# Altium PCB Copy of main_1301.PcbDoc
Units mm, origin at the board's own origin, x right, y up, seen from the top; angles counter-clockwise.
Board outline 199.97 x 144.74 mm, 2 copper layers (Top Layer, Bottom Layer); 194 components, 185 nets, 678 pads, 55 vias.
Unrouted connection lines stored in the file: 279.
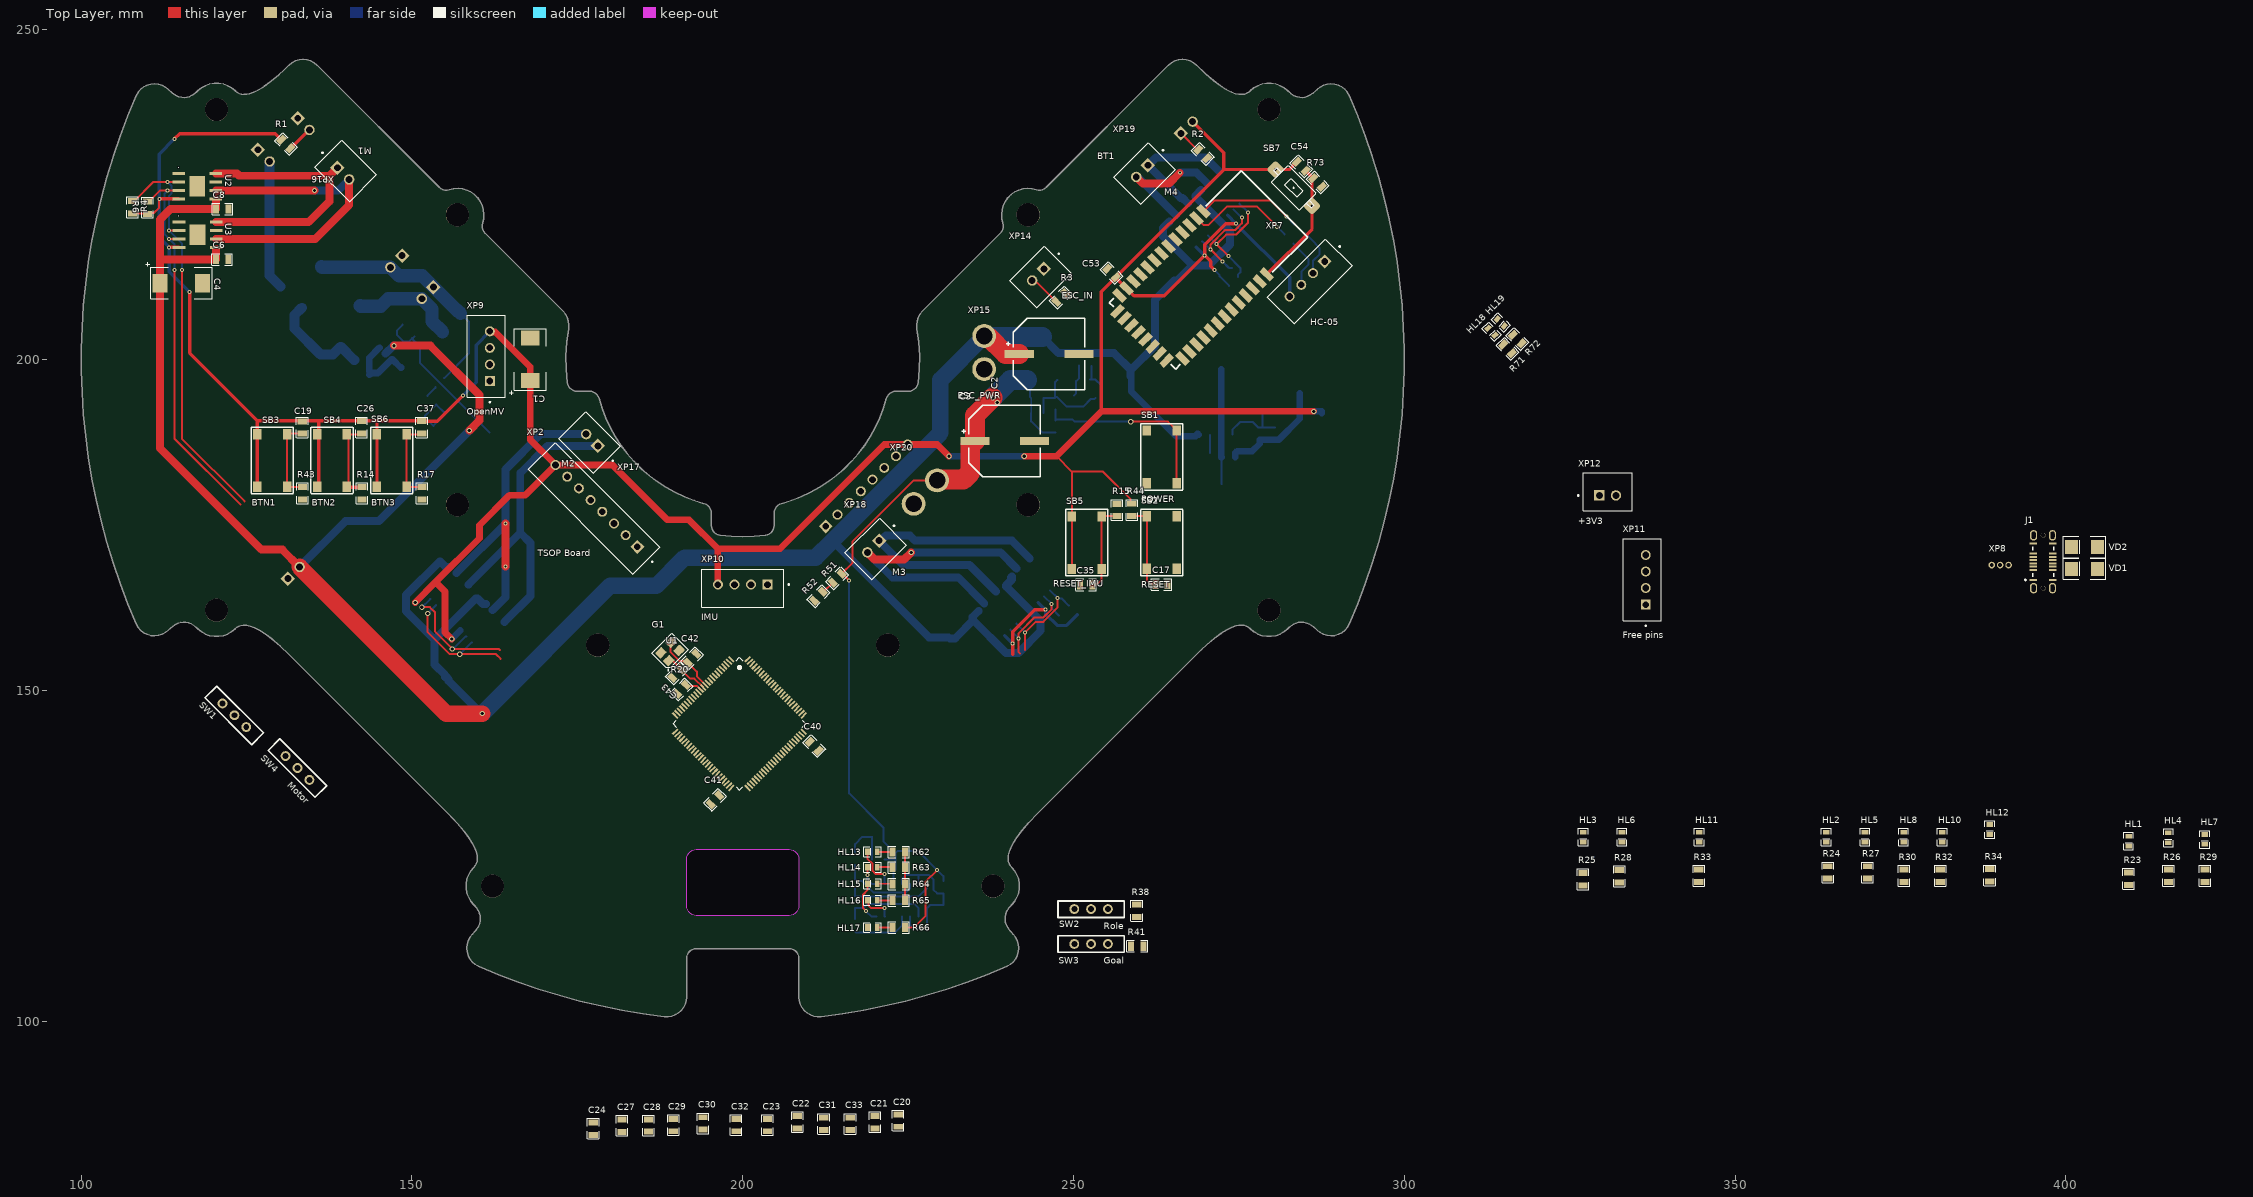
[diagram p0: Top Layer view]
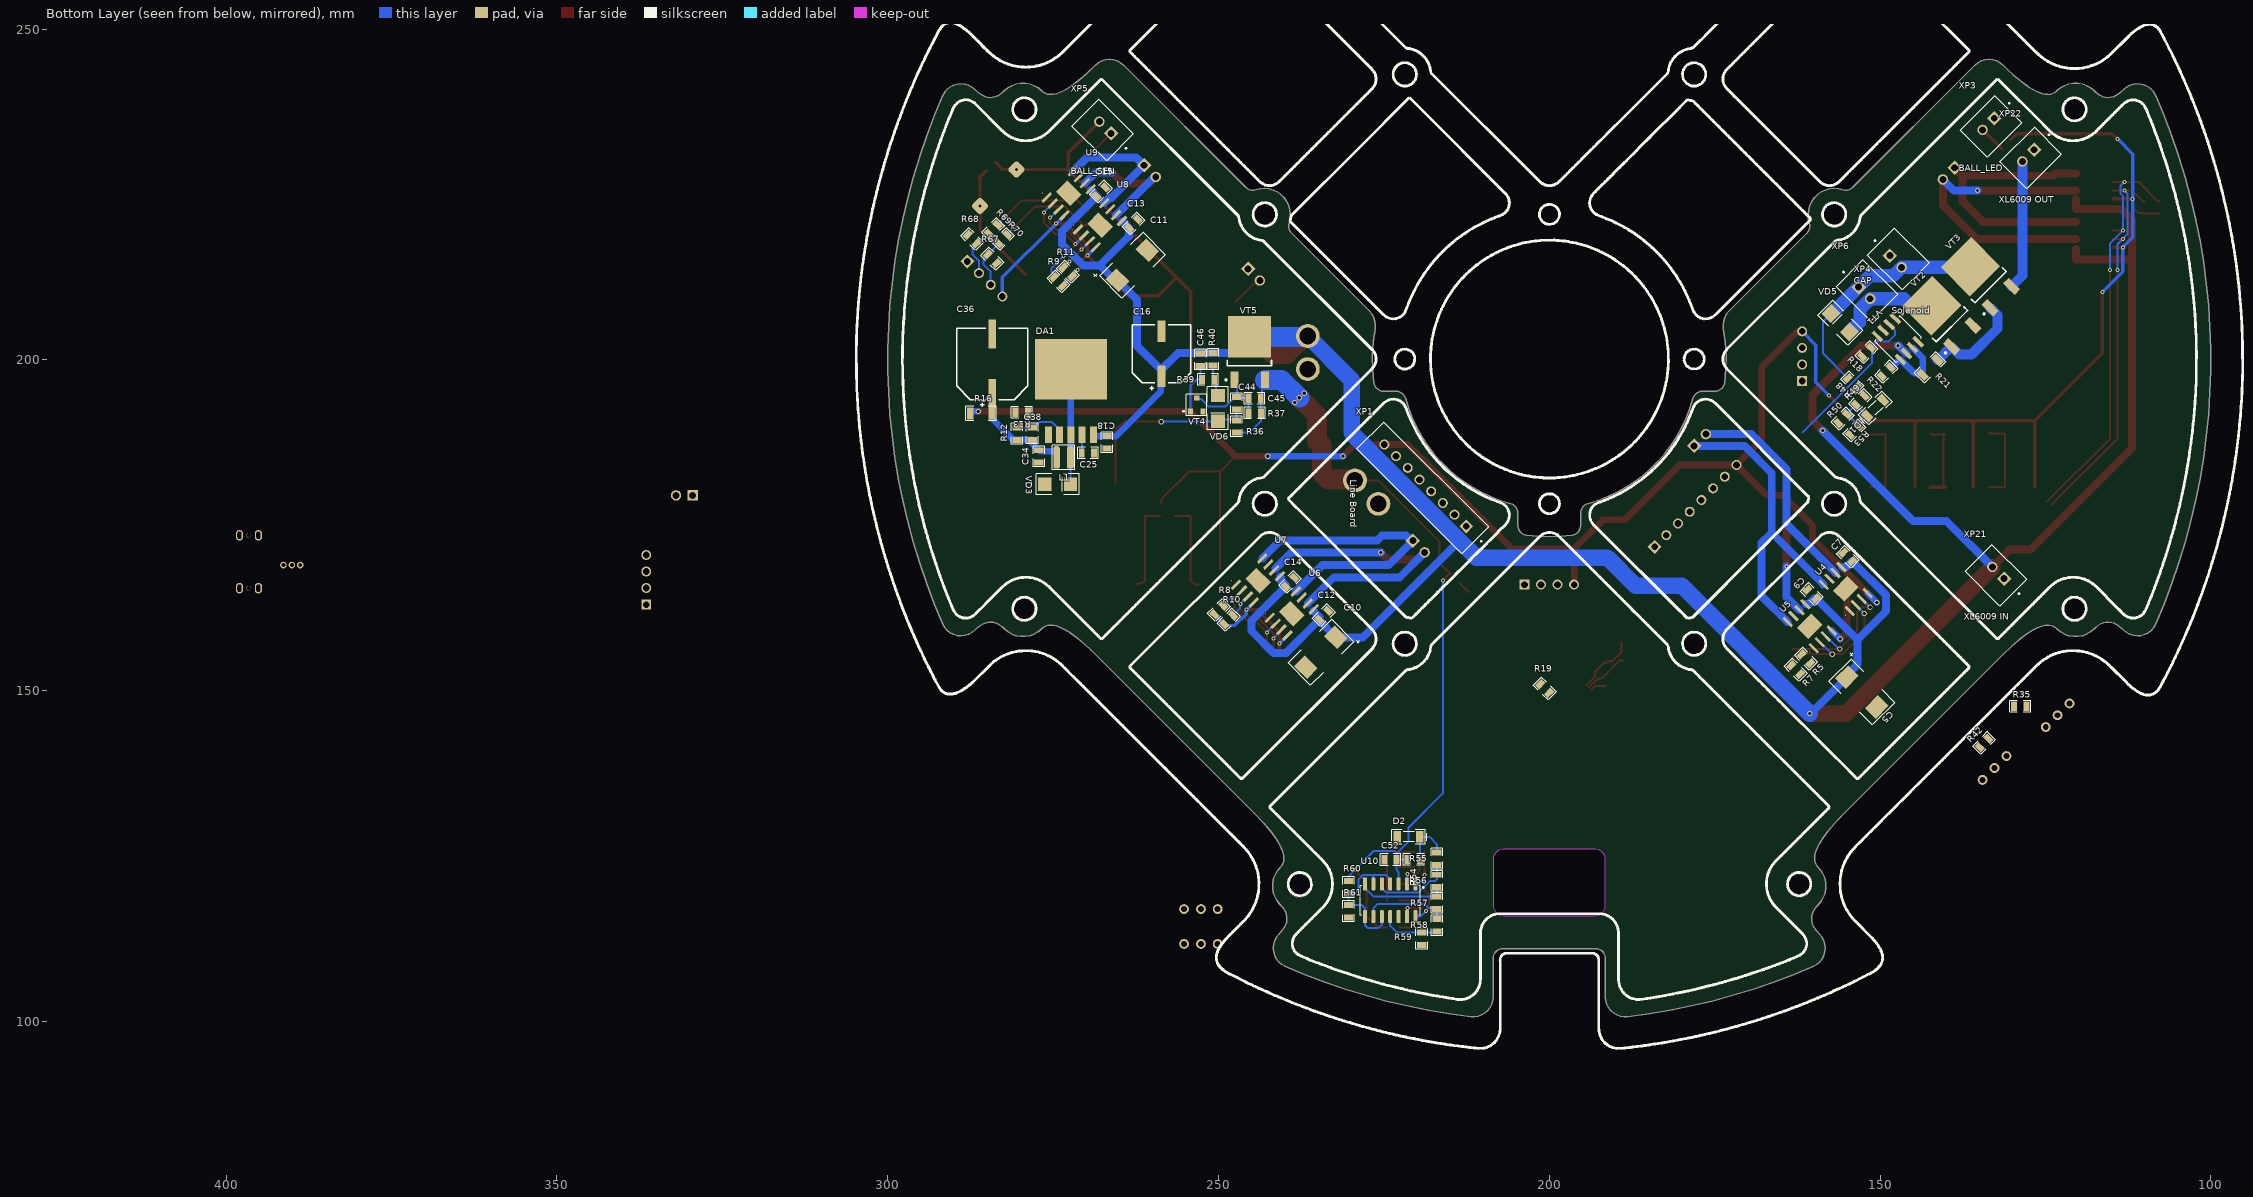
[diagram p1: Bottom Layer view, seen from below]

## Layer stack, top to bottom
Top Solder: solder mask 0.0102, Solder Resist, Dk 3.5
Top Layer: signal copper 0.07
Dielectric 1: dielectric 0.32, FR-4, Dk 4.8
Bottom Layer: signal copper 0.07
Bottom Solder: solder mask 0.0102, Solder Resist, Dk 3.5

## Board outline
538 vertices, not listed, extent 100.013,100.691 299.986,245.426
cut-out: 208.5,117.5 208.462,117.166 208.351,116.849 208.173,116.565 207.935,116.327 207.651,116.149 207.334,116.038 207,116 193,116 192.666,116.038 192.349,116.149 192.065,116.327 191.827,116.565 191.649,116.849 191.538,117.166 191.5,117.5 191.5,124.5 191.538,124.834 191.649,125.151 191.827,125.435 192.065,125.673 192.349,125.851 192.666,125.962 193,126 207,126 207.334,125.962 207.651,125.851 207.935,125.673 208.173,125.435 208.351,125.151 208.462,124.834 208.5,124.5

## Design rules (kind name [scope] priority, off if disabled: settings)
BoardOutlineClearance [All] p1: gap=0.25 ignorepadtopadclearanceinfootprint=FALSE
Clearance Clearance_MultiLayerPad [OnLayer('Multi-Layer') and IsPad] p1: gap=0.25 ignorepadtopadclearanceinfootprint=FALSE except(0: Arc-Hole Track-Hole SMDPad-Hole THPad-Hole Via-Hole Fill-Hole Poly-Hole Region-Hole Text-Hole)
Clearance Clearance_Polygon [InPolygon] p2 off: gap=0.2 ignorepadtopadclearanceinfootprint=FALSE except(0: Arc-Hole Track-Hole SMDPad-Hole THPad-Hole Via-Hole Fill-Hole Poly-Hole Region-Hole Text-Hole)
Clearance [All] p3: gap=0.15 ignorepadtopadclearanceinfootprint=FALSE except(0: Arc-Hole Track-Hole SMDPad-Hole THPad-Hole Via-Hole Fill-Hole Poly-Hole Region-Hole Text-Hole)
ComponentClearance [All] p1 off: gap=0 collisioncheckmode=3 verticalgap=2540 showdistances=TRUE
Height [All] p1 off: minheight=0 maxheight=25.4 prefheight=12.7
HoleSize [All] p1: absolutevalues=TRUE maxlimit=6.3 minlimit=0.2 maxpercent=80.000 minpercent=20.000
HoleToHoleClearance HoleToHoleClearanceVia [IsVia vs IsVia] p1: gap=0.254 allowstackedmicrovias=TRUE
HoleToHoleClearance [All] p2: gap=0.5 allowstackedmicrovias=TRUE
MinimumAnnularRing MinimumAnnularRingVia [IsVia] p1: minimumring=0.15
MinimumAnnularRing [All] p2: minimumring=0.25
MinimumSolderMaskSliver [All] p1: minsoldermaskwidth=0.244
PlaneClearance [All] p1: clearance=0.5
PlaneConnect [All] p1: planeconnectstyle=Relief reliefexpansion=0.5 reliefentries=4 reliefconductorwidth=0.3 reliefairgap=0.2
PolygonConnect PolygonConnect_Power [InPadClass('power')] p1: connectstyle=Relief reliefconductorwidth=0.9 reliefentries=4 polygonreliefangle="90 Angle" airgapwidth=0.2
PolygonConnect [All] p2: thpad.connectstyle=Relief thpad.reliefconductorwidth=0.3 thpad.reliefentries=4 thpad.polygonreliefangle="90 Angle" thpad.airgapwidth=0.2 smdpad.connectstyle=Relief smdpad.reliefconductorwidth=0.3 smdpad.reliefentries=4 smdpad.polygonreliefangle="90 Angle" smdpad.airgapwidth=0.2 via.connectstyle=Direct via.reliefconductorwidth=0.3 via.reliefentries=4 via.polygonreliefangle="90 Angle" via.airgapwidth=0.2
RoutingVias [All] p1: holewidth=0.3 width=0.6 viastyle="Through Hole" minholewidth=0.3 minwidth=0.6 maxholewidth=0.5 maxwidth=1.5
SilkToSilkClearance [All] p1: silktosilkclearance=0.2
SilkToSolderMaskClearance [IsPad] p1: minsilkscreentomaskgap=0.15 clearancetoexposedcopper=TRUE
SolderMaskExpansion [All] p1: expansion=0.05 istentingtop=FALSE
UnRoutedNet [All] p1: checkbadconnections=TRUE
Width [All] p1: maxlimit=10 minlimit=0.15 preferedwidth=0.3
20 further rules are at their usual default settings.

## Classes and differential pairs
component class U_switches: C17 C19 C26 C35 C37 C44 C45 C46 R14 R15 R17 R35 R36 R37 R38 R39 R40 R41 R42 R43 R44 SB1 SB2 SB3 SB4 SB5 SB6 SW1 SW2 SW3 SW4 VD6 VT4 VT5
component class U_stabs: C16 C18 C25 C34 C36 C38 DA1 L1 R12 R13 R16 VD3
component class U_indicator: C52 D1 D2 HL13 HL14 HL15 HL16 HL17 R48 R49 R50 R51 R52 R53 R54 R55 R56 R57 R58 R59 R60 R61 R62 R63 R64 R65 R66 U10
component class U_drv: C4 C5 C6 C7 C8 C9 C10 C11 C12 C13 C14 C15 R4 R5 R6 R7 R8 R9 R10 R11 U2 U3 U4 U5 U6 U7 U8 U9
component class U_connectors: C1 C2 C3 J1 R1 R2 R3 VD1 VD2 XP1 XP2 XP3 XP4 XP5 XP6 XP7 XP8 XP9 XP10 XP11 XP12 XP14 XP15 XP16 XP17 XP18 XP19 XP20 XP21 XP22
component class U_bluetooth: BT1 C53 C54 HL18 HL19 R67 R68 R69 R70 R71 R72 R73 SB7
component class main: C20 C21 C22 C23 C24 C27 C28 C29 C30 C31 C32 C33 C40 C41 C42 C43 G1 HL1 HL2 HL3 HL4 HL5 HL6 HL7 HL8 HL10 HL11 HL12 R18 R19 R20 R21 R22 R23 R24 R25 R26 R27 R28 R29 R30 R32 R33 R34 U1 VD5 VT1 VT2 VT3

## Components (designator, comment, footprint, x,y, rotation, side; value= is the part's Value field where it differs from the comment)
BT1 "HC-05" HC-05 269.737,212.799 r315 top
C1 "47uF" CAP_TANT_D 167.894,200.054 r90 top
C2 "470uF" D10C4.4H10 246.3,200.9 r0 top
C3 "25v 470uF" D10C4.4H10 239.6,187.732 r0 top
C4 "25v 47uF" CAP_TANT_D 115.1,211.6 r0 top
C5 "25v 47uF" CAP_TANT_D 152.765,149.8 r225 bottom
C6 "0.1uF" CAP0805 121.3,215.194 r180 top
C7 "0.1uF" CAP0805 154.879,170.2 r225 bottom
C8 "0.1uF" CAP0805 121.337,222.793 r180 top
C9 "0.1uF" CAP0805 160.317,164.574 r225 bottom
C10 "25v 47uF" CAP_TANT_D 234.5,155.8 r315 bottom
C11 "25v 47uF" CAP_TANT_D 263.018,214.283 r135 bottom
C12 "0.1uF" CAP0805 234.1,161.4 r315 bottom
C13 "0.1uF" CAP0805 262.867,220.586 r315 bottom
C14 "0.1uF" CAP0805 239.182,166.391 r315 bottom
C15 "0.1uF" CAP0805 267.788,225.41 r315 bottom
C16 "220uF" D8C3.2H12 258.6,200.92 r90 bottom
C17 "1uF" CAP0805 263.3,166.055 r180 top
C18 "1uF" CAP0805 266.858,187.523 r90 bottom
C19 "1uF" CAP0805 133.414,189.777 r270 top
C20 "1uF" CAP0805 223.5,85 r270 top
C21 "0.1uF" CAP0805 220,84.75 r270 top
C22 "1uF" CAP0805 208.25,84.75 r90 top
C23 "0.1uF" CAP0805 203.756,84.319 r90 top
C24 "0.1uF" CAP0805 177.406,83.769 r90 top
C25 "1uF" CAP0805 269.738,185.9 r180 bottom
C26 "1uF" CAP0805 142.4,189.8 r270 top
C27 "0.1uF" CAP0805 181.754,84.229 r90 top
C28 "0.1uF" CAP0805 185.75,84.25 r90 top
C29 "0.1uF" CAP0805 189.506,84.319 r90 top
C30 "0.1uF" CAP0805 194.006,84.569 r90 top
C31 "0.1uF" CAP0805 212.25,84.5 r90 top
C32 "0.1uF" CAP0805 199.006,84.319 r90 top
C33 "1uF" CAP0805 216.25,84.5 r90 top
C34 "1uF" CAP0805 277.163,185.4 r90 bottom
C35 "1uF" CAP0805 251.9,166 r0 top
C36 "330uF" D10C4.4H10 284.2,199.4 r90 bottom
C37 "1uF" CAP0805 151.482,189.8 r270 top
C38 "33nF" CAP0805 278.153,188.839 r270 bottom
C40 "2.2uF" CAP0805 210.8,141.6 r135 top
C41 "2.2uF" CAP0805 195.8,133.5 r45 top
C42 "20pF" CAP0805 192.344,154.886 r45 top
C43 "20pF" CAP0805 190.028,152.6 r225 top
C44 "1uF" CAP0805 247.293,193.417 r270 bottom
C45 "0.1uF" CAP0805 244.542,194.167 r180 bottom
C46 "10uF" CAP0805 252.749,200.025 r90 bottom
C52 "0.1uF" CAP0805 224,124.431 r180 bottom
C53 "0.1uF" CAP0805 255.753,213.139 r315 top
C54 "0.1uF" CAP0805 284.415,229.251 r315 top
D1 "3.3V" SOD-80 150.695,192.721 r135 bottom
D2 "8.2V" SOD-80 221.3,127.9 r0 bottom
DA1 "XL4015" TO263-5L 272.515,194.935 r180 bottom
G1 "8 MHz" TSX-3225 188.999,155.901 r45 top
HL1 "LED1" LED0603_WHITE 409.5,127.25 r90 top
HL2 "BG" LED0603_WHITE 363.797,127.856 r90 top
HL3 "48V" LED0603_GREEN 327.063,127.856 r90 top
HL4 "LED2" LED0603_WHITE 415.5,127.75 r90 top
HL5 "YG" LED0603_WHITE 369.639,127.856 r90 top
HL6 "12V" LED0603_GREEN 332.905,127.856 r90 top
HL7 "LED3" LED0603_WHITE 421,127.5 r90 top
HL8 "ST" LED0603_WHITE 375.481,127.856 r90 top
HL10 "GK" LED0603_WHITE 381.323,127.856 r90 top
HL11 "3V3" LED0603_GREEN 344.589,127.856 r90 top
HL12 "M_ON" LED0603_RED 388.5,129 r90 top
HL13 "White" LED0603_GREEN 219.6,125.634 r0 top
HL14 "White" LED0603_GREEN 219.6,123.3 r0 top
HL15 "White" LED0603_GREEN 219.6,120.8 r0 top
HL16 "White" LED0603_GREEN 219.6,118.3 r0 top
HL17 "Red" LED0603_RED 219.6,114.18 r0 top
HL18 "White" LED0603_WHITE 313.181,204.25 r135 top
HL19 "White" LED0603_WHITE 314.581,205.65 r135 top
J1 "USB" USB-C 396.535,169.495 r90 top
L1 "47uH" VLS3012HBX 273.427,185.243 r0 bottom
R1 "70R" RES0805 130.927,232.601 r135 top
R2 "10K" RES0805 269.5,231.1 r135 top
R3 "10K" RES0805 248.1,209.4 r225 top
R4 "10K" RES0805 107.76,223.056 r270 top
R5 "10K" RES0805 161.2,154.793 r45 bottom
R6 "10K" RES0805 110.039,223.014 r270 top
R7 "10K" RES0805 162.764,153.132 r45 bottom
R8 "10K" RES0805 249.932,162.164 r315 bottom
R9 "10K" RES0805 274.166,211.85 r225 bottom
R10 "10K" RES0805 248.439,160.675 r315 bottom
R11 "10K" RES0805 272.755,213.304 r225 bottom
R12 "22K" RES0805 280.44,188.839 r270 bottom
R13 "13K" RES0805 279.762,192.08 r180 bottom
R14 "10K" RES0805 142.406,179.812 r90 top
R15 "10K" RES0805 256.6,177.3 r270 top
R16 "0R" RES1206 285.9,191.9 r0 bottom
R17 "10K" RES0805 151.488,179.83 r90 top
R18 "10K" RES0805 152.058,201.178 r135 bottom
R19 "10K" RES0805 200.7,150.3 r45 bottom
R20 "10K" RES0805 190.732,150.197 r45 top
R21 "15R" RES1206 142.438,198.858 r135 bottom
R22 "10K" RES0805 149.053,198.173 r315 bottom
R23 "1K" RES0805 409.48,121.558 r90 top
R24 "1K" RES0805 364,122.5 r90 top
R25 "22K" RES0805 327,121.5 r90 top
R26 "1K" RES0805 415.5,122 r90 top
R27 "1K" RES0805 370,122.5 r90 top
R28 "4.7K" RES0805 332.48,121.938 r90 top
R29 "1K" RES0805 421,122 r90 top
R30 "1K" RES0805 375.5,122 r90 top
R32 "1K" RES0805 381,122 r90 top
R33 "1K" RES0805 344.5,122 r90 top
R34 "1K" RES0805 388.48,122.058 r90 top
R35 "10K" RES0805 128.8,147.6 r0 bottom
R36 "10K" RES0805 247.293,189.917 r90 bottom
R37 "100K" RES0805 244.542,191.917 r0 bottom
R38 "10K" RES0805 259.538,116.7 r90 top
R39 "300K" RES0805 251.578,197 r0 bottom
R40 "100K" RES0805 250.863,200.062 r90 bottom
R41 "10K" RES0805 259.656,111.39 r0 top
R42 "10K" RES0805 134.3,142.1 r135 bottom
R43 "10K" RES0805 133.42,179.83 r90 top
R44 "10K" RES0805 258.8,177.3 r90 top
R48 "1K" RES0805 154.208,196.542 r45 bottom
R49 "13K" RES0805 153.007,193.892 r135 bottom
R50 "1K" RES0805 155.672,191.114 r135 bottom
R51 "39K" RES0805 214.25,167 r45 top
R52 "11K" RES0805 211.423,164.279 r45 top
R53 "1K" RES0805 153.912,189.325 r135 bottom
R54 "10K" RES0805 220.5,124.437 r0 bottom
R55 "27K" RES0805 217.025,124.586 r90 bottom
R56 "1K" RES0805 217.025,121.222 r90 bottom
R57 "1K" RES0805 217.025,117.899 r90 bottom
R58 "1K" RES0805 217.005,114.5 r90 bottom
R59 "24K" RES0805 219.3,112.5 r90 bottom
R60 "10K" RES0805 230.366,120.28 r90 bottom
R61 "5.1K" RES0805 230.366,116.622 r90 bottom
R62 "1K" RES0805 223.6,125.634 r0 top
R63 "1K" RES0805 223.6,123.3 r0 top
R64 "1K" RES0805 223.6,120.8 r0 top
R65 "1K" RES0805 223.6,118.3 r0 top
R66 "4.7K" RES0805 223.6,114.2 r0 top
R67 "10K" RES0805 284.218,215.25 r45 bottom
R68 "10K" RES0805 287.218,218.275 r225 bottom
R69 "0R" RES0805 284.054,219.74 r315 bottom
R70 "0R" RES0805 282.55,218.25 r315 bottom
R71 "1K" RES0805 315.586,201.637 r135 top
R72 "1K" RES0805 317.071,203.119 r135 top
R73 "10K" RES0805 286.865,226.8 r135 top
SB1 "POWER" DTSM-61N-V-T/R 265.6,181.35 r90 top
SB2 "RESET" DTSM-61N-V-T/R 261.1,176.35 r270 top
SB3 "BTN1" DTSM-61N-V-T/R 131.119,180.793 r90 top
SB4 "BTN2" DTSM-61N-V-T/R 140.159,180.793 r90 top
SB5 "RESET_IMU" DTSM-61N-V-T/R 254.25,168.38 r90 top
SB6 "BTN3" DTSM-61N-V-T/R 149.2,180.793 r90 top
SB7 "PTS636 SP43 LFS" "PTS636 SP43 LFS" 283.3,226 r135 top
SW1 "ESP1010" ESP1010 123.1,146.3 r135 top
SW2 "Role" ESP1010 252.598,116.95 r180 top
SW3 "Goal" ESP1010 252.598,111.7 r180 top
SW4 "Motor" ESP1010 132.646,138.334 r135 top
U1 "STM32F407VGT6" LQFP100 199.5,145 r315 top
U2 "DRV8870" HSOP-8 117.5,226.25 r270 top
U3 "DRV8870" HSOP-8 117.537,218.909 r270 top
U4 "DRV8870" HSOP-8 155.165,165.325 r135 bottom
U5 "DRV8870" HSOP-8 160.606,159.686 r135 bottom
U6 "DRV8870" HSOP-8 238.975,161.612 r225 bottom
U7 "DRV8870" HSOP-8 244.061,166.609 r225 bottom
U8 "DRV8870" HSOP-8 267.949,220.309 r225 bottom
U9 "DRV8870" HSOP-8 272.676,225.133 r225 bottom
U10 "SOIC-14" SOIC-14 224.035,118.335 r270 bottom
VD1 "Diode TVS" "DO-214AC (SMA)" 402.825,168.4 r0 top
VD2 "Diode TVS" "DO-214AC (SMA)" 402.825,171.7 r0 top
VD3 "Diode Schottky" "DO-214AC (SMA)" 274.327,181.197 r0 bottom
VD5 "Diode Schottky" "DO-214AC (SMA)" 156,205.587 r225 bottom
VD6 "Diode Schottky" "DO-214AC (SMA)" 250.098,192.675 r90 bottom
VT1 "IRS4427" SOIC-8 147.285,203.123 r225 bottom
VT2 "STD30NF06L" DPAK 139.875,205.937 r45 bottom
VT3 "TPSTD10P6F6" DPAK 134.025,211.831 r45 bottom
VT4 "IRLML2502" SOT-23-3 253.25,193.25 r90 bottom
VT5 "FDD6637" DPAK 245.25,200.25 r90 bottom
XP1 "Line Board" JST_XH-8 218.75,181 r45 bottom
XP2 "TSOP Board" JST_XH-8 177.872,177.904 r135 top
XP3 "BALL_LED" JST_XH-2 133.245,235.263 r315 bottom
XP4 "CAP" JST_XH-2 147.245,215.237 r225 bottom
XP5 "BALL_SEN" JST_XH-2 267.5,234.75 r45 bottom
XP6 "Solenoid" JST_XH-2 151.995,210.487 r225 bottom
XP7 "HC-05" JST_XH-4 285.687,211.845 r225 top
XP8 "ST-Lnk" 3x1.27 390.075,168.975 r0 top
XP9 "OpenMV" JST_XH-4 161.246,200.55 r90 top
XP10 "IMU" JST_XH-4 200,165.5 r180 top
XP11 "Free pins" JST_XH-4 335.975,166.75 r90 top
XP12 "+3V3" JST_XH-2 330.75,180.025 r0 top
XP14 "ESC_IN" JST_XH-2 245,212.5 r225 top
XP15 "ESC_PWR" XT30_3D 236.5,201.1 r90 top
XP16 "M1" JST_XH-2 139.987,228.524 r315 top
XP17 "M2" JST_XH-2 176.845,187.513 r135 top
XP18 "M3" JST_XH-2 220.1,171.4 r225 top
XP19 "M4" JST_XH-2 260.737,228.154 r225 top
XP20 "BAT" XT30_3D 227.6,180 r45 top
XP21 "XL6009 IN" JST_XH-2 132.5,167.429 r45 bottom
XP22 "XL6009 OUT" JST_XH-2 127.231,230.495 r315 bottom

## Footprints (in the part's own frame and the unit in brackets; to place one, negate y for a bottom-side part, rotate by r counter-clockwise, add the part's x,y. Pads: shape width x height; smd on the part's side, far side on the other; paste and mask are expansions set on the pad)
3x1.27 [mm]
  round 1 hole 0.6: 1(-1.27,0) 2(0,0) 3(1.27,0)
  body extent -1.9,-1.23 1.9,1.27, height 4.1
CAP0805 [mm] "SMD ceramic capacitor 0805"
  rect 0.9x1.397 smd: 1(-0.929,0.006) 2(0.931,0.006)
  silkscreen extent -1.55,-0.88 1.55,0.88, body extent -1,-0.63 1,0.62, height 1.24
CAP_TANT_D [mil]
  rect 90x110 smd: 1(126.76,-0.24) 2(-125.2,-0.24)
  silkscreen extent -211,-94 184,125, body extent -148,-89 148,89, height 122
D8C3.2H12 [mm]
  rect 3.2x1.2 smd: 1(-3.4,0) 2(3.4,0)
  round 0.5 on Mech1: ""(-4.3,-3.7)
  silkscreen extent -5.5,-4.4 4.4,4.4, body extent -4.85,-4.25 4.85,4.25, height 10.5
D10C4.4H10 [mm]
  rect 4.4x1.2 smd: 1(-4.5,0) 2(4.5,0)
  silkscreen extent -6.5,-5.4 5.4,5.4, body extent -5.9,-5.25 5.9,5.25, height 10.5
"DO-214AC (SMA)" [mm] "SMA"
  rrect0% 2x2.1 smd: A(1.95,0.003) K(-1.95,0.003)
  silkscreen extent -3.25,-1.6 3.22,1.6, body extent -2.65,-1.4 2.65,1.4, height 2.3
DPAK [mm] "TO-252"
  rect 6.25x6.5 smd: D(3.219,0.034)
  rect 2.5x1.2 smd: G(-3.281,2.324) S(-3.281,-2.256)
  round 0.5 on Mech1: ""(-3.231,2.934)
  silkscreen extent -3.41,-3.27 -0.33,3.75, body extent -3.83,-3.28 6.27,3.45, height 2.37
DTSM-61N-V-T/R [mm] "Tactile button"
  rect 1.55x1.3 smd: 1(0,4.5) 2(7.95,4.5) 3(0,0) 4(7.95,0)
  silkscreen extent -1.05,-0.93 9,5.43, body extent -0.52,-0.75 8.47,5.25, height 4.3
ESP1010 [mm] "Slide switch"
  round 1.5 hole 0.9: 1(-2.596,-0.014) 2(-0.056,-0.014) 3(2.484,-0.014)
  silkscreen extent -5.06,-1.24 4.94,1.26, body extent -5.06,-1.24 4.94,1.26, height 6.55
HC-05 [mm] "Bluetooth HC-05"
  rect 2.2x1 smd: 1(-6.886,6.787) 2(-6.886,5.287) 3(-6.886,3.787) 4(-6.886,2.287) 5(-6.886,0.787) 6(-6.886,-0.713) 7(-6.886,-2.213) 8(-6.886,-3.713) 9(-6.886,-5.213) 10(-6.886,-6.713) 11(-6.886,-8.213) 12(-6.886,-9.713) 13(-6.886,-11.213) 22(6.614,-11.213) 23(6.614,-9.713) 24(6.614,-8.213) 25(6.614,-6.713) 26(6.614,-5.213) 27(6.614,-3.713) 28(6.614,-2.213) 29(6.614,-0.713) 30(6.614,0.787) 31(6.614,2.287) 32(6.614,3.787) 33(6.614,5.287) 34(6.614,6.787)
  rect 1x2.2 smd: 14(-5.386,-13.113) 15(-3.886,-13.113) 16(-2.386,-13.113) 17(-0.886,-13.113) 18(0.614,-13.113) 19(2.114,-13.113) 20(3.614,-13.113) 21(5.114,-13.113)
  round 0.5 on Mech1: 33(-6.586,7.787)
  round 0.5 on Top Overlay: 34(-7.686,7.787)
  silkscreen extent -7.19,-13.06 7.01,15.14, body extent -6.55,-12.95 6.45,13.95, height 2.2
HSOP-8 [mm]
  rect 0.45x1.9 smd: 1(-1.897,-2.75) 2(-0.627,-2.75) 3(0.643,-2.75) 4(1.913,-2.75) 5(1.913,2.85) 6(0.643,2.85) 7(-0.627,2.85) 8(-1.897,2.85)
  rect 3.1x2.4 smd: 9(0.008,0.05)
  body extent -2.44,-2.9 2.46,3, height 1.46
JST_XH-2 [mm] "JST_B2B-XH-A(LF)(SN)"
  rect 1.575x1.575 / inner round 1.575 / far side rect 1.575x1.575 hole 1.05: 1(-1.25,-0.525)
  round 1.575 hole 1.05: 2(1.25,-0.525)
  silkscreen extent -4.55,-2.88 3.7,2.88, body extent -3.7,-2.88 3.7,2.88, height 7
JST_XH-4 [mm] "JST_B4B-XH-A(LF)(SN)"
  rect 1.508x1.508 / inner round 1.508 / far side rect 1.508x1.508 hole 1: 1(-3.75,-0.525)
  round 1.508 hole 1: 2(-1.25,-0.525) 3(1.25,-0.525) 4(3.75,-0.525)
  silkscreen extent -7.05,-2.88 6.2,2.88, body extent -6.2,-2.88 6.2,2.88, height 7
JST_XH-8 [mm] "JST_B8B-XH-A(LF)(SN)"
  rect 1.508x1.508 hole 1: 1(-8.75,-0.017)
  round 1.508 hole 1: 2(-6.25,-0.017) 3(-3.75,-0.017) 4(-1.25,-0.017) 5(1.25,-0.017) 6(3.75,-0.017) 7(6.25,-0.017) 8(8.75,-0.017)
  silkscreen extent -12.05,-2.37 11.2,3.38, body extent -11.2,-2.37 11.2,3.38, height 7
LED0603_GREEN [mm] "Green SMD LED"
  rect 0.7x1 smd: 1(-0.75,0) 2(0.75,0)
  silkscreen extent -1.33,-0.73 1.33,0.73, body extent -0.8,-0.4 0.8,0.4, height 0.6
LED0603_RED [mm] "Red SMD LED"
  rect 0.7x1 smd: 1(-0.75,0) 2(0.75,0)
  silkscreen extent -1.33,-0.73 1.33,0.73, body extent -0.82,-0.4 0.78,0.4, height 0.6
LED0603_WHITE [mm] "White SMD LED"
  rect 0.7x1 smd: 1(-0.75,0) 2(0.75,0)
  silkscreen extent -1.33,-0.73 1.33,0.73, body extent -0.8,-0.4 0.8,0.4, height 0.75
LQFP100 [mm] "Microcontroller"
  rect 1.2x0.3 smd: 1(-7.75,6) 2(-7.75,5.5) 3(-7.75,5) 4(-7.75,4.5) 5(-7.75,4) 6(-7.75,3.5) 7(-7.75,3) 8(-7.75,2.5) 9(-7.75,2) 10(-7.75,1.5) 11(-7.75,1) 12(-7.75,0.5) 13(-7.75,0) 14(-7.75,-0.5) 15(-7.75,-1) 16(-7.75,-1.5) 17(-7.75,-2) 18(-7.75,-2.5) 19(-7.75,-3) 20(-7.75,-3.5) 21(-7.75,-4) 22(-7.75,-4.5) 23(-7.75,-5) 24(-7.75,-5.5) 25(-7.75,-6) 51(7.75,-6) 52(7.75,-5.5) 53(7.75,-5) 54(7.75,-4.5) 55(7.75,-4) 56(7.75,-3.5) 57(7.75,-3) 58(7.75,-2.5) 59(7.75,-2) 60(7.75,-1.5) 61(7.75,-1) 62(7.75,-0.5) 63(7.75,0) 64(7.75,0.5) 65(7.75,1) 66(7.75,1.5) 67(7.75,2) 68(7.75,2.5) 69(7.75,3) 70(7.75,3.5) 71(7.75,4) 72(7.75,4.5) 73(7.75,5) 74(7.75,5.5) 75(7.75,6)